# KiCad board artix-dc-scm.kicad_pcb (continued)
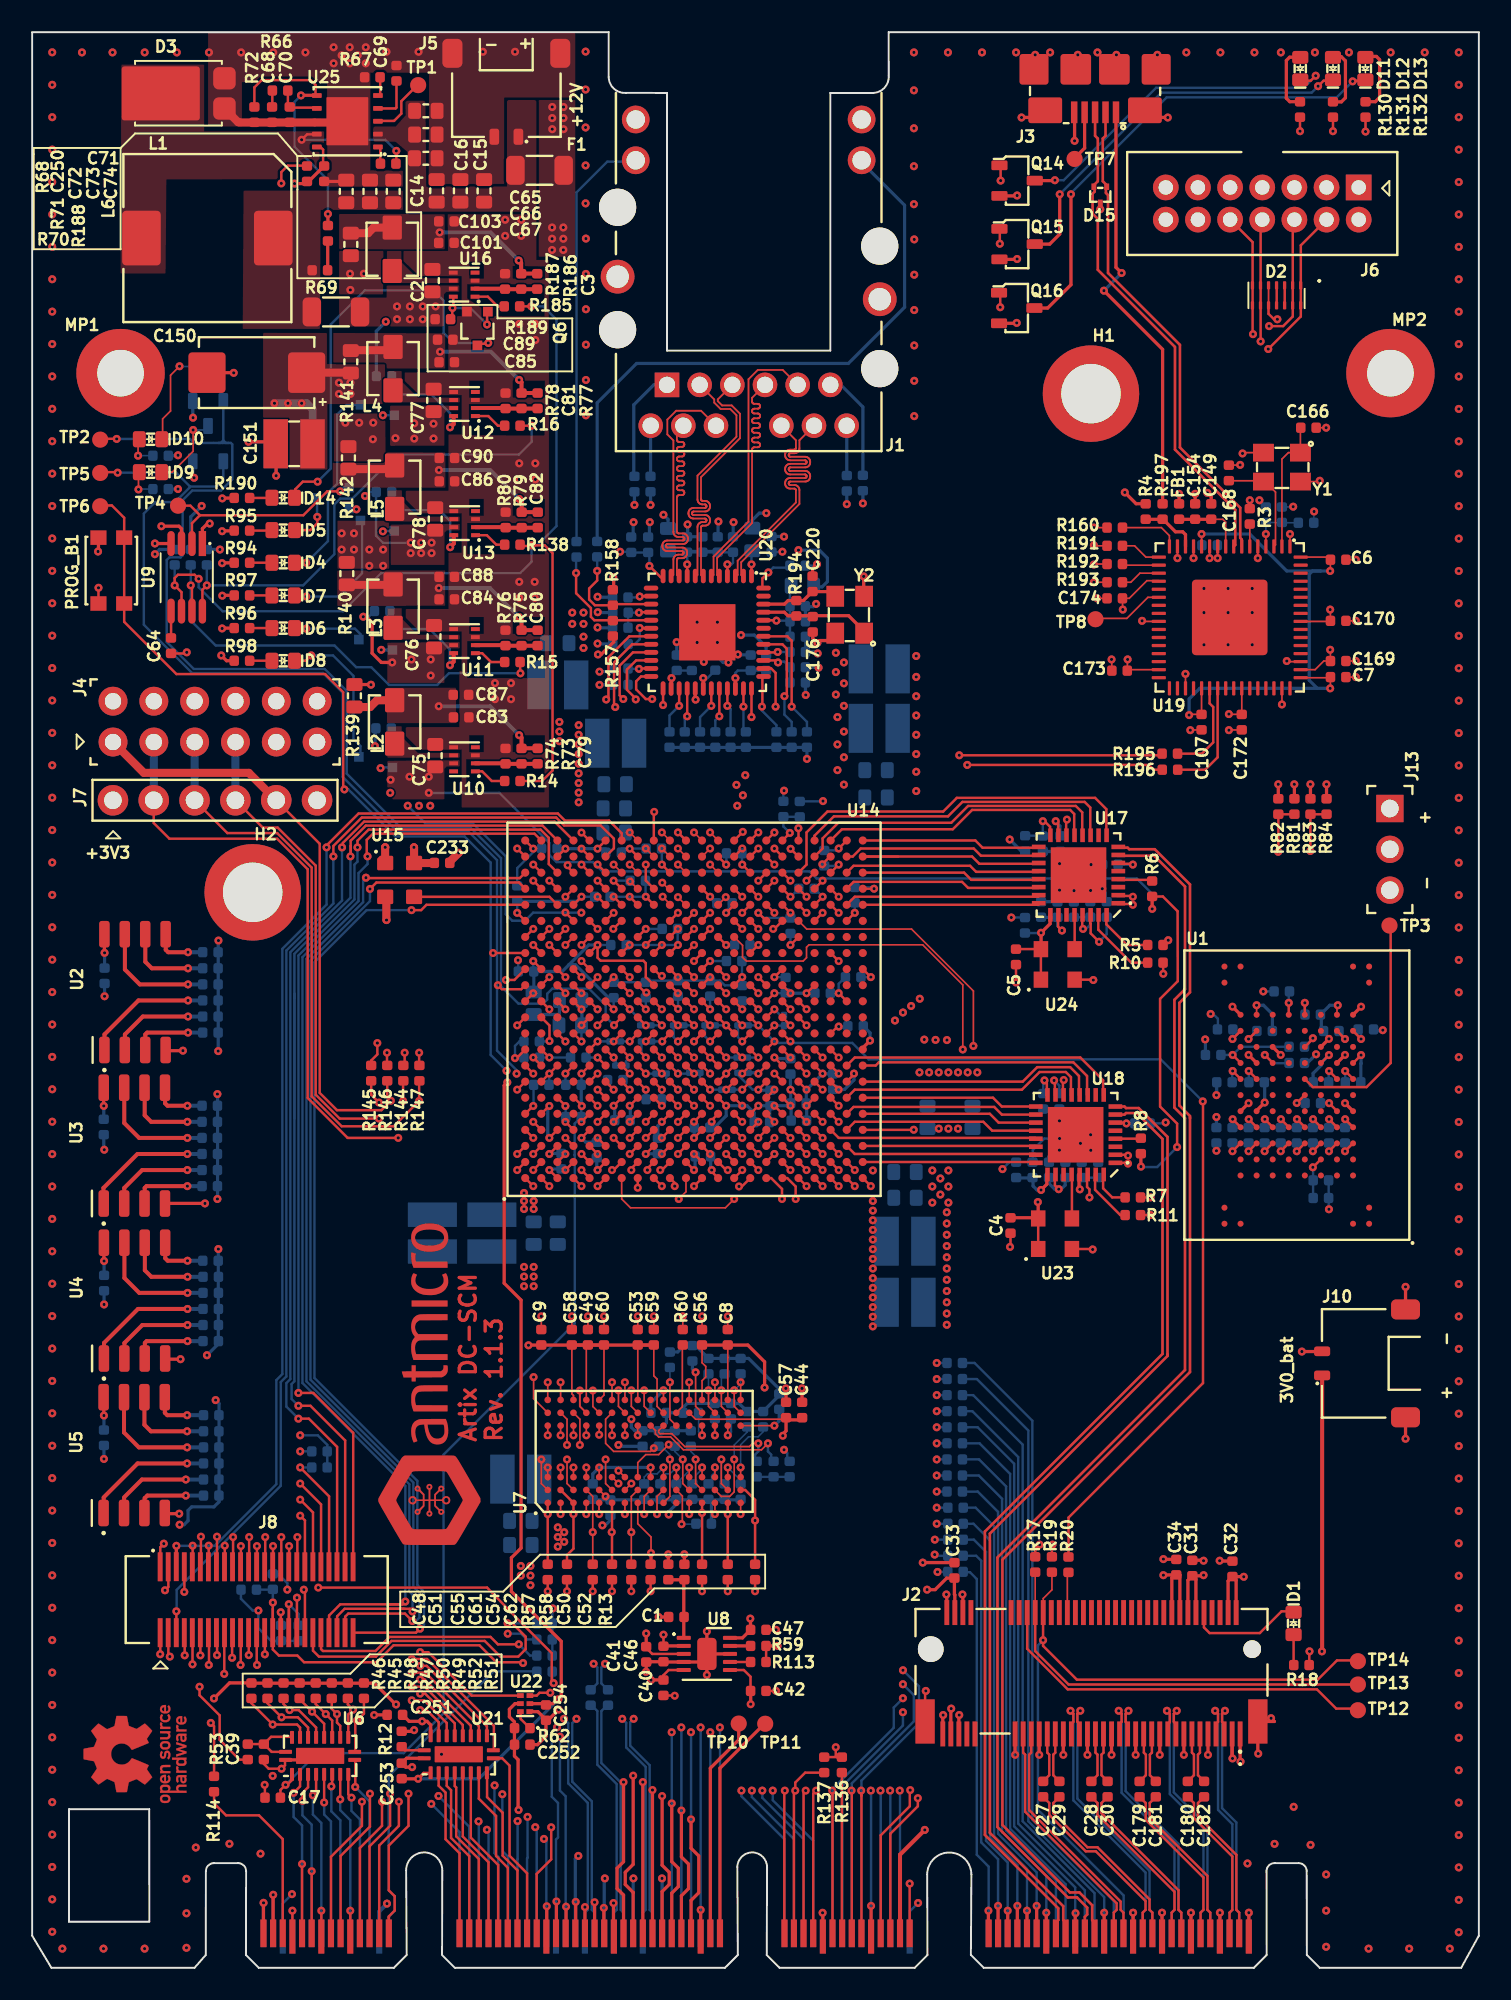
[diagram p0: board, top side]
## Routing (per net, layer and track width the routed paths; a pad name or vN(x,y) marks a point on that pad's centre or on a via; arc(x,y) is an arc through that point) (continued)
  Bottom w0.2: 4.46,51.72 4.46,50.92 ; 4.46,32.46 v2(4.46,31.66) ; 42.67,89.04 42.67,89.94 ; 44.72,81.67 43.93,81.67 ; 36.1,79.81 35.31,79.81 ; 37.47,91.81 v2(37.47,91) ; 64.26,50.14 64.26,50.51 v2(63.91,50.86) 63.64,50.86 63.26,50.49 63.26,50.14 ; 40.78,89.04 40.78,89.78 v2(40.77,89.79) ; 61.77,69.46 61.54,69.46 v2(60.82,70.19) ; 35.12,51.36 34.44,51.36 v2(34.18,51.63) ; 36.1,82.35 35.2,82.35 ; 79.16,56.29 79.34,56.29 v2(79.88,56.83) ; v2(33.98,6.96) 33.79,6.77 33.79,1.95 ; v2(32.18,50.62) 32.21,50.66 32.93,50.66 ; 45.93,54.6 45.21,54.6 v2(45.18,54.63) ; 73.68,52.27 v2(73.68,52.93) ; v2(39.18,5.56) 39.19,5.56 39.19,1.95 ; 9.99,97.51 9.99,96.44 v2(10.01,96.42) ; 62.87,69.44 63.96,69.44 63.96,69.45 ; v2(21.72,81.98) 21.73,81.98 22.32,81.98 ; v2(39.18,52.63) 38.93,52.38 38.93,51.61 ; 44.91,52.6 44.91,53.19 44.48,53.63 v2(43.18,53.63) 43.18,53 42.46,52.28 42.16,52.28 ; 35.98,28.14 35.98,27.84 35.65,27.53 v2(35.48,27.53) ; 62.9,53.42 63.9,53.42 ; 48.11,80.9 48.9,80.9 v2(48.93,80.88) ; 36.1,83.35 35.2,83.35 ; 68.49,1.96 v2(68.49,3.43) ; 48.18,52.7 48.18,53.75 48.16,53.78 48.16,54.61 v2(49.18,55.63) 49.19,55.61 49.82,55.61 ; 51.71,58.58 52.12,58.16 v2(52.12,57.67) ; C156.1 32.8,58.65 C190.1 32.77,59.23 32.7,59.3 C97.1 ; 4.51,61.24 v2(4.51,60.44) ; 38.4,89 38.4,89.9 ; 48.11,82.78 48.13,82.76 48.13,81.86 48.77,81.86 v2(48.87,81.76) ; v2(44.1,82.9) 44.93,82.9 45.66,82.17 45.66,81.67 ; v2(41.18,49.62) 41.24,49.69 41.24,50.48 ; v2(42.63,82.44) 42.5,82.31 42.5,81.69 42.99,81.2 v2(43.32,81.2) ; 36.12,84.3 35.21,84.3 ; v2(46.77,89.03) 46.76,89.04 46,89.04 ; 9.99,93.76 9.99,92.77 v2(10.07,92.69) ; v2(15.18,92.81) 15.15,92.84 15.15,94.93 15.14,94.92 v2(13.46,94.92) ; 41.7,89.02 40.74,89.02 ; 4.48,42.06 v2(4.48,41.27) ; v2(65.22,51.29) 65.22,50.14 ; v2(48.77,84.84) 48.6,84.67 48.13,84.67 ; 37.39,1.95 37.39,5.55 v2(37.41,5.56) ; 38.47,91.81 v2(38.47,91) ; 72.99,56.79 72.99,57.74 v2(72.97,57.75) ; 37.98,32.44 36.56,32.44 v2(36.48,32.53) ; 48.11,83.75 48.11,84.72 ; v2(41.37,82.44) 41.04,82.11 41.04,81.67 41.35,81.67 v2(41.79,81.24) ; 36.24,52.73 36.24,53.56 v2(36.18,53.63) ; 37.39,89 37.39,89.9 ; 62.76,66.32 63.7,66.32 ; 75.69,1.96 v2(75.69,3.43) ; 36.1,85.26 35.2,85.26 ; 48.11,79.95 48.11,79.19 v2(48.12,79.18) ; v2(35.63,5.56) 35.59,5.53 35.59,1.95 ; C218.1 40.1,82.45 ; 72.09,1.96 v2(72.09,3.43) ; 73.89,1.96 v2(73.89,3.43) ; 36.1,80.63 35.31,80.63 ; 43.61,89 43.61,89.9 ; 50.68,91.86 v2(50.68,91.05) ; 42.66,66.09 42.18,66.58 v2(42.18,66.63) ; 51.68,91.88 v2(51.68,91.1) ; 70.29,1.96 v2(70.29,3.43)
  Bottom w0.25: v2(22.07,4) 21.59,3.51 J9.OA13
  vias: v1(34.47,28.23) v1(36.87,28.23) v1(40.87,28.23) v1(42.47,28.23) v1(44.07,28.23) v1(68.47,66.63) v2(1.25,119.15) v2(1.25,117.13) v2(1.25,115.11) v2(1.25,113.1) v2(1.25,111.08) v2(1.25,109.07) v2(1.25,107.05) v2(1.25,105.04) v2(1.25,103.02) v2(1.25,101.01) v2(1.25,98.99) v2(1.25,96.97) v2(1.25,94.96) v2(1.25,92.94) v2(1.25,90.93) v2(1.25,88.91) v2(1.25,86.9) v2(1.25,84.88) v2(1.25,82.87) v2(1.25,80.85) v2(1.25,78.83) v2(1.25,76.82) v2(1.25,74.8) v2(1.25,72.79) v2(1.25,70.77) v2(1.25,68.76) v2(1.25,66.74) v2(1.25,64.73) v2(1.25,62.71) v2(1.25,60.69) v2(1.25,58.68) v2(1.25,56.66) v2(1.25,54.65) v2(1.25,52.63) v2(1.25,50.62) v2(1.25,48.6) v2(1.25,46.59) v2(1.25,44.57) v2(1.25,42.55) v2(1.25,40.54) v2(1.25,38.52) v2(1.25,36.51) v2(1.25,34.49) v2(1.25,32.48) v2(1.25,30.46) v2(1.25,28.45) v2(1.25,26.43) v2(1.25,24.41) v2(1.25,22.4) v2(1.25,20.38) v2(1.25,18.37) v2(1.25,16.35) v2(1.25,14.34) v2(1.25,12.32) v2(1.25,10.31) v2(1.25,8.29) v2(1.25,6.28) v2(1.25,4.26) v2(1.25,2.24) v2(1.88,1.2) v2(3.1,119.15) v2(4.44,1.2) v2(4.48,50.89) v2(5,119.15) v2(7,119.15) v2(7,1.2) v2(9,119.15) v2(9.6,5.54) v2(9.6,3.39) v2(9.6,1.25) v2(10.18,7.48) v2(11,119.15) v2(12.27,7.72) v2(13,119.15) v2(14.21,7.1) v2(15,119.15) v2(17,119.15) v2(18.76,119.47) v2(18.76,118.47) v2(19.26,118.97) v2(19.76,119.47) v2(19.76,118.47) v2(20.26,118.97) v2(20.76,119.47) v2(20.76,118.47) v2(21.82,96.57) v2(21.82,89.35) v2(22.04,119.19) v2(22.04,65.18) v2(22.27,73.09) v2(24.04,119.19) v2(25.46,13.29) v2(28.04,119.19) v2(28.79,79.91) v2(28.79,78.91) v2(29.43,108.73) v2(29.43,107.73) v2(29.79,79.91) v2(29.79,78.91) v2(30.04,119.19) v2(30.3,102.25) v2(30.3,101.25) v2(30.3,93.58) v2(30.3,92.58) v2(30.3,86.21) v2(30.3,85.21) v2(30.43,108.73) v2(30.43,107.73) v2(30.4,25) v2(30.4,24.4) v2(30.6,43.6) v2(30.6,43) v2(30.6,42.4) v2(31,25) v2(31,24.4) v2(31,23.8) v2(31.2,43.6) v2(31.2,43) v2(31.2,42.4) v2(31.3,102.25) v2(31.3,101.25) v2(31.3,93.58) v2(31.3,92.58) v2(31.26,86.21) v2(31.26,85.21) v2(33.6,84.3) v2(33.6,83.6) v2(34.3,84.3) v2(34.3,83.6) v2(34.3,82.8) v2(34.3,82.1) v2(34.43,119.2) v2(34.43,116.83) v2(34.43,114.47) v2(34.43,112.11) v2(34.43,109.75) v2(34.45,107.56) v2(34.45,105.37) v2(34.45,103.17) v2(34.45,100.97) v2(34.45,98.77) v2(34.45,96.57) v2(35.18,85.29) v2(35.18,84.33) v2(35.18,83.38) v2(35.18,82.38) v2(35.29,80.63) v2(35.29,79.81) v2(37.41,89.93) v2(38.43,89.93) v2(40.09,82.47) v2(41.37,83.7) v2(42.63,83.7) v2(42.7,89.97) v2(43.63,89.93) v2(43.82,73.59) v2(43.9,81.7) v2(43.87,72.29) v2(44.21,72.94) v2(44.37,74.19) v2(54.86,119.15) v2(54.86,116.78) v2(54.86,114.42) v2(54.86,112.06) v2(54.86,109.7) v2(54.87,107.51) v2(54.87,105.32) v2(54.87,103.12) v2(54.87,100.92) v2(54.87,98.72) v2(54.87,96.52) v2(55,81.6) v2(55,80.3) v2(55,79.1) v2(55,77.9) v2(55,76.7) v2(55,75.5) v2(55,74.4) v2(55,73.2) v2(55.2,55.7) v2(55.8,55.7) v2(56,49.6) v2(56,48.6) v2(56,47.6) v2(56.4,55.7) v2(56.5,49.1) v2(56.5,48.1) v2(56.9,47) v2(56.9,46.3) v2(56.9,45.6) v2(56.9,44.9) v2(56.9,44.2) v2(56.9,43.5) v2(56.9,42.8) v2(56.9,42.1) v2(56.9,41.4) v2(56.9,40.7) v2(56.9,40) v2(56.97,119.15) v2(57,55.7) v2(57,49.6) v2(57,48.6) v2(57,47.6) v2(57.6,55.7) v2(58.2,55.7) v2(58.8,55.7) v2(59.09,119.15) v2(61.21,119.15) v2(61.25,102.32) v2(61.27,106.3) v2(62.4,119) v2(63.33,119.15) v2(63.91,67.04) v2(63.91,52.69) v2(64.81,67.01) v2(65.05,119) v2(65.84,67.02) v2(65.85,51.82) v2(65.88,68.63) v2(66.28,119.15) v2(66.57,67.13) v2(67.15,81.39) v2(67.45,119) v2(71.8,119.15) v2(72.9,85.8) v2(72.9,84.3) v2(72.9,82.3) v2(73.92,119.15) v2(74.4,85.8) v2(74.4,84.3) v2(74.4,82.3) v2(75.61,6.49) v2(75.9,85.8) v2(75.9,84.3) v2(75.9,82.3) v2(76.04,119.15) v2(77.29,7.71) v2(77.68,119.15) v2(78.48,10.02) v2(79.53,7.65) v2(79.8,119.15) v2(80.52,73.62) v2(80.5,5.81) v2(80.5,3.56) v2(80.5,1.31) v2(81.92,119.15) v2(83.14,1.2) v2(84.51,119.15) v2(85.67,1.2) v2(86.63,119.15) v2(88.19,1.2) v2(88.75,119.15) v2(88.75,117.13) v2(88.75,115.11) v2(88.75,113.1) v2(88.75,111.08) v2(88.75,109.06) v2(88.75,107.05) v2(88.75,105.03) v2(88.75,103.02) v2(88.75,101) v2(88.75,98.98) v2(88.75,96.97) v2(88.75,94.95) v2(88.75,92.94) v2(88.75,90.92) v2(88.75,88.9) v2(88.75,86.89) v2(88.75,84.87) v2(88.75,82.86) v2(88.75,80.84) v2(88.75,78.82) v2(88.75,76.81) v2(88.75,74.79) v2(88.75,72.78) v2(88.75,70.76) v2(88.75,68.74) v2(88.75,66.73) v2(88.75,64.71) v2(88.75,62.69) v2(88.75,60.68) v2(88.75,58.66) v2(88.75,56.65) v2(88.75,54.63) v2(88.75,52.61) v2(88.75,50.6) v2(88.75,48.58) v2(88.75,46.57) v2(88.75,44.55) v2(88.75,42.53) v2(88.75,40.52) v2(88.75,38.5) v2(88.75,36.49) v2(88.75,34.47) v2(88.75,32.45) v2(88.75,30.44) v2(88.75,28.42) v2(88.75,26.41) v2(88.75,24.39) v2(88.75,22.37) v2(88.75,20.36) v2(88.75,18.34) v2(88.75,16.32) v2(88.75,14.31) v2(88.75,12.29) v2(88.75,10.28) v2(88.75,8.26) v2(88.75,6.24) v2(88.75,4.23) v2(88.75,2.21)
P12V_AUX: length 9.4
  Top w0.2: v2(14.99,4.55) 14.99,4.54 14.99,1.96 ; v2(14.4,4.05) 14.39,4.04 14.39,1.96
  Bottom w0.2: 14.39,1.96 14.39,4.04 v2(14.4,4.05) ; v2(14.99,4.55) 14.99,4.54 14.99,1.96
  vias: v2(32.34,108.26) v2(32.34,107.56) v2(32.34,106.86) v2(32.35,115.75) v2(32.35,115.06) v2(32.35,114.37) v2(33.04,108.26) v2(33.04,107.56) v2(33.04,106.86) v2(33.05,115.75) v2(33.05,115.06) v2(33.05,114.37)
PVCCIO_PECI: length 14.4
  Top w0.2: 45.6,15.24 42.79,12.42 42.79,1.96
VCC1V0: length 91.6
  Top w0.15: U14.E8 v2(34.18,55.63) ; U14.L11 v2(41.18,58.63) ; U14.F9 v2(36.18,56.63) ; 42.68,59.13 v2(43.18,58.63) 43.68,58.13 ; 41.68,56.13 v2(42.18,55.63) ; 43.68,56.13 v2(43.18,55.63) 42.68,55.13 ; U14.H8 v2(38.18,55.63) ; 45.68,58.13 v2(46.18,58.63) ; 33.7,54.14 34.2,53.64 34.2,53.61 v2(34.19,53.6) ; 44.68,55.13 v2(44.18,54.63) ; U14.F7 v2(36.18,54.63) ; U14.D10 v2(34.18,57.63) ; 44.68,57.13 v2(45.18,56.63) ; 45.68,56.13 v2(45.18,55.63) ; U14.J9 v2(39.18,56.63) ; U14.K8 v2(40.18,55.63) ; U14.J7 v2(39.18,54.63) ; U14.L7 v2(41.18,54.63) ; U14.J11 v2(39.18,58.63) ; 16.16,12 16.16,11.69 15.87,11.39 v2(15.76,11.39) 15.45,11.07 15.45,10.59 ; U14.H10 v2(37.18,57.63)
  Top w0.5: 19.98,99.23 17.48,99.23
  Bottom w0.15: v2(15.76,11.39) 17.73,13.36 23.12,13.36 25.59,15.84 25.59,31.93 33.76,40.09 33.76,50.57 33.75,50.57 33.75,50.57 33.75,52.51 34.16,52.93 34.16,53.57 v2(34.19,53.6) ; 36.3,56.13 36.3,56.5 v2(36.18,56.63) ; 38.8,55.63 v2(38.18,55.63) ; v2(36.18,54.63) 35.79,55.01 35.79,55.23 ; v2(34.18,55.63) 34.18,54.94 34.16,54.93 ; C138.2 v2(41.18,58.63) ; v2(39.18,54.63) 39.16,54.61 39.16,54.03 ; C190.2 v2(34.18,57.63) ; C165.2 v2(43.18,58.63) ; v2(46.18,58.63) 46.2,58.61 46.77,58.61 ; C159.2 v2(39.18,58.63) ; C152.2 v2(37.18,57.63) ; C157.2 v2(45.18,56.63) ; v2(40.18,55.63) 40.9,55.63 ; C163.2 v2(44.18,54.63)
  Bottom w0.2: 44.54,55.68 45.12,55.68 v2(45.18,55.63) ; 34.16,54.93 34.16,53.64 v2(34.19,53.6) ; C156.2 34.2,58.65 C190.2 ; 35.15,76.1 v2(34,76.1)
  Bottom w0.5: 17.44,94.93 17.44,96.96 17.08,97.32 15.05,97.32
  vias: v2(15.07,97.32) v2(15.91,97.32) v2(16.76,97.32) v2(19.09,98.6) v2(19.09,97.9) v2(19.8,98.6) v2(19.8,97.9) v2(34,77.3) v2(34,76.7) v2(34,75.5) v2(34,74.9) v2(34,74.3) v2(34,73.7) v2(34,73.1) v2(34,72.5)
VCC1V2: length 28.7
  Top w0.15: 38.62,85.33 37.82,85.33 ; U14.C4 v2(32.18,51.63) ; U14.C8 v2(32.18,55.63) U14.B7 ; U20.30 41.75,80.22 v2(41.75,80.23) ; 38.57,83.33 37.82,83.33 v2(37.8,83.35) ; 46.4,81.25 46.32,81.33 45.43,81.33 ; v2(32.18,53.61) 32.16,53.61 U14.B5 ; v2(37.75,80.8) 37.77,80.83 38.57,80.83 ; U20.26 39.75,80.2 v2(39.77,80.23) ; U14.B11 32.18,58.62 v2(32.18,57.65) ; U14.B9 v2(32.18,56.63)
  Bottom w0.15: 46.4,81.25 46.79,81.25 47.14,80.9 47.14,79.95 ; v2(37.8,85.3) 37.74,85.24 37.07,85.24 ; v2(32.18,57.65) 32.16,57.63 31.56,57.63 ; 31.56,56.63 v2(32.18,56.63) 33.49,56.63 ; v2(41.75,80.23) 42.01,80.23 42.5,80.72 ; 37.09,82.35 37.5,82.35 37.8,82.65 v2(37.8,83.35) ; 32.16,54.93 32.16,55.61 v2(32.18,55.63) ; v2(37.75,80.8) 37.21,80.8 37.07,80.66 37.07,79.81 ; v2(39.77,80.23) 39.77,80.37 40.1,80.7 41.04,80.7
  Bottom w0.2: v2(47.67,88.19) 48.97,88.19 49.47,87.69 49.47,86.23 49.15,85.9 48.65,85.9 ; 32.07,51.73 32.07,53.51 v2(32.18,53.61) ; v2(39.27,90.39) 39.56,90.1 FB6.2
  vias: v2(19.77,105.38) v2(19.79,104.37) v2(20.63,105.38) v2(46.4,81.2) v2(56.4,52.2) v2(57,52.2) v2(57.6,52.2)
VCC1V8: length 126.6
  Top w0.15: 43.68,60.13 v2(44.18,59.63) ; 44.68,59.13 v2(45.18,58.63) ; U14.K10 39.2,57.65 ; 41.68,60.13 v2(42.18,59.63) ; 64.47,25.56 64.47,26.22 64.47,26.23 64.47,28.01 72.84,36.37 72.84,53.86 ; U14.E12 v2(35.18,59.63) ; U14.H12 v2(38.18,59.63) ; U14.K12 40.15,59.65 v2(40.18,59.65)
  Top w0.2: 22.99,11.76 v2(24.01,11.76) 24.35,12.1 24.79,12.1 ; v2(29.56,55.08) 29.37,54.89 29.37,42.59 30.41,41.54 30.41,26.11 29.82,25.51 29.82,23.41 32.91,20.31 32.91,16.89 v2(32.74,16.71) 32.66,16.71 32.39,16.44 U22.2
  In6.Cu w0.15: 28.77,55.79 29.48,55.08 v2(29.56,55.08)
  Bottom w0.15: 42.18,60.44 v2(42.18,59.63) ; 44.18,60.14 v2(44.18,59.63) ; v2(72.83,53.9) 70.21,56.51 52.04,56.51 51.02,57.53 46.27,57.53 v2(45.18,58.63) C242.2 ; v2(40.18,59.65) 40.18,60.43 40.18,60.44 ; 38.18,60.34 v2(38.18,59.63) ; C146.2 v2(39.2,57.63)
  Bottom w0.2: v2(24.01,11.76) 27.79,11.76 v2(32.74,16.71)
  vias: v2(19.26,89.23) v2(19.26,88.22) v2(20.02,89.23) v2(20.02,88.22) v2(20.98,88.22) v2(20.98,87.21) v2(21.84,88.22) v2(21.84,87.21) v2(32.8,77.5) v2(32.8,76.9) v2(32.8,76.3)
VCC1V35: length 88.4
  Top w0.1: U7.G7 v2(36.87,33.12) ; v2(38.87,28.23) 38.87,29.32 U7.K2 ; U7.E9 35.57,35.62 35.57,38.74 ; 37.27,25.11 37.27,29.32 37.68,29.73 ; 41.67,38.74 41.68,38.74 41.68,37.64 41.9,37.41 41.9,36.76 41.68,36.53 41.68,35.33 ; 33.68,35.33 33.68,35.61 33.57,35.71 33.57,38.74 ; v2(31.2,36.75) 31.2,35.41 U7.A8 ; 37.68,35.33 37.68,38.74 37.67,38.74 ; U7.K8 38.87,34.93 38.87,36.63 38.67,36.83 38.67,38.74 ; 34.87,25.11 34.87,29.33 U7.D2 ; U7.R9 43.27,37.97 43.27,37.97 43.27,38.74 ; 34.57,38.74 34.48,38.64 U7.D9
  Top w0.15: 41.68,52.13 v2(41.18,51.63) ; U14.C1 v2(32.18,49.62) ; U14.F2 v2(35.18,49.62) ; 32.07,25.11 32.07,28.92 ; 39.27,20.01 v2(39.27,20.73) ; v2(42.28,49.62) 42.28,49.52 42.68,49.12 ; 36.07,25.11 36.07,28.92 ; 43.27,25.11 43.27,28.92 ; 41.67,25.11 U7.N1 ; U7.B2 33.68,28.93 33.68,26.08 33.27,25.67 33.27,25.11 ; U14.J3 v2(38.18,50.62) ; U14.H6 v2(37.18,53.63)
  Top w0.2: 40.57,25.11 v2(40.57,25.73) ; 37.67,38.74 38.67,38.74 30.89,38.74 v2(30.87,38.73) ; U8.2 39.29,20.03 39.27,20.01 ; 33.57,38.74 35.57,38.74 ; v2(45.57,36.09) 45.57,37.7 44.52,38.74 41.67,38.74
  Bottom w0.2: v2(37.18,53.63) 37.21,53.59 37.21,52.73 ; 35.12,50.39 35.12,49.68 v2(35.18,49.62) ; v2(38.18,50.62) 38.19,50.64 38.93,50.64 ; v2(42.28,49.62) 42.21,49.69 42.21,50.48 ; v2(32.18,49.62) 32.24,49.69 32.93,49.69 ; v2(41.18,51.63) 41.19,51.64 41.19,52.28
  vias: v2(19.48,96.11) v2(20.34,96.11) v2(21.22,96.11) v2(21.2,95.08) v2(32.07,28.23) v2(32.7,27.4) v2(32.7,26.8) v2(32.7,26.2) v2(33.1,27.1) v2(33.1,26.5) v2(33.67,28.23) v2(34.87,27.1) v2(36.05,27.11) v2(37.27,27.1) v2(41.68,28.3) v2(43.27,28.23)
VCC3V3: length 295.4
  Top w0.1: 81.17,59.29 81.17,59.88 ; 76.17,59.29 v2(76.17,59.88) ; U19.20 70.05,86.29 69.35,86.29 68.25,85.19 67.84,85.19 67.84,84.5 v2(67.85,84.49) ; v2(80.75,81.99) 80.77,81.97 80.77,81.29 80.35,81.29 79.81,80.75 78.91,80.75 ; v2(74.45,77.99) 74.47,77.97 75.25,77.97 U19.42 ; v2(80.75,84.49) 80.77,84.47 80.77,83.79 80.73,83.75 78.91,83.75 ; 70.09,80.75 68.2,80.75 68.14,80.69 68.14,81.37 v2(68.15,81.39)
  Top w0.15: 48.68,51.12 v1(49.18,50.62) ; 42.68,69.13 v2(43.18,68.63) ; 45.68,70.13 v2(46.18,70.63) ; 45.68,50.12 v2(46.18,50.62) ; 82.18,56.29 v2(82.67,56.78) ; 46.68,67.13 v2(47.18,66.63) ; U14.A17 v2(30.18,65.63) ; 44.68,63.13 v2(45.18,63.63) ; 41.68,62.13 v2(42.18,62.63) ; 82.95,115.09 v2(82.95,114.22) ; 47.68,54.13 v2(47.18,54.63) ; v2(62.98,55.2) 63.12,55.05 63.12,54.26 ; 76.16,51.29 v2(75.67,50.8) ; 45.68,60.13 v2(46.18,60.63) ; 45.66,19.03 45.66,20.03 ; 49.68,58.13 50.1,58.55 v2(50.18,58.55) ; v2(62.68,26.33) 62.4,26.05 62.4,25.58 ; 47.68,64.13 v2(47.18,63.63) ; 48.68,61.13 v2(48.18,60.63) ; 70.36,62.53 70.36,61.94 ; 7.97,24.95 7.97,26.17 v2(8.19,26.39) ; 51.68,62.13 v2(52.18,61.63) ; 63.32,70.36 63.32,70.98 62.98,71.33 v2(62.87,71.33) ; v2(8.26,23.49) 8.47,23.69 8.47,24.95 ; 81.16,51.29 v2(80.67,50.8) ; U14.D18 v2(34.18,66.63) ; U14.L17 v2(41.18,65.63) ; v2(33.18,69.61) 33.16,69.61 U14.C21 ; 80.93,115.11 v2(80.93,114.25) ; v2(68.47,68.63) 68.43,68.68 67.51,68.68 ; U14.B14 v2(31.18,62.63) ; 43.68,66.13 v2(43.18,65.63) ; 44.68,53.13 v2(45.18,53.63) ; 75.17,56.3 v2(74.68,56.79) ; 75.16,51.29 v2(74.67,50.8) ; v2(68.08,52.53) 68.03,52.58 67.31,52.58 ; 79.16,51.29 v2(78.67,50.8) ; 79.45,18.84 79.45,19.67 ; v2(43.75,80.23) U20.34 ; U14.E15 v2(35.18,63.63) 35.18,62.84 35.37,62.65 38.02,62.65 38.18,62.5 38.18,61.63 38.73,61.08 ; v2(66.38,63.83) 65.85,64.35 65.85,64.95 65.82,64.98 65.82,65.49 ; 81.17,53.3 v2(80.68,53.79) ; U14.F12 v2(36.18,59.63) ; 62.54,46.66 62.59,46.62 62.59,44.72 ; 50.68,65.13 v2(51.18,65.63) ; 51.68,52.13 54.84,52.13 v2(54.84,52.13) ; 78.88,115.11 v2(78.88,114.25) ; 77.16,51.29 v2(76.67,50.8) ; U14.K20 v2(39.18,68.63) ; 68.96,46.83 v2(69.58,46.83) ; 65.62,49.39 65.62,48.58 65.78,48.43 v2(65.78,47.93) ; 38.57,84.33 37.77,84.33 v2(37.75,84.3) ; 49.68,68.13 v2(50.18,68.63) ; 50.68,55.13 51.12,55.58 v2(51.12,55.63) ; 82.16,51.29 v2(81.67,50.8) ; v2(63.48,26.33) 63.44,26.29 63.44,25.58 ; 80.18,56.29 v2(80.67,56.78) ; v2(46.38,81.85) 46.35,81.83 45.43,81.83 ; 77.17,56.3 v2(76.68,56.79) ; U14.G19 v2(36.18,67.63) ; 62.76,61.47 U24.4 62.75,63.37 61.21,63.37 ; 80.16,51.29 v2(79.67,50.8) ; U14.H16 v2(38.18,64.63) ; U14.F22 35.18,69.63 v2(35.18,69.61) ; 78.16,51.29 v2(77.67,50.8)
  Top w0.2: 12.57,91.43 11.85,91.43 ; 4.45,54.82 4.45,53.63 ; 4.46,35.56 4.46,34.37 ; 79.53,72.73 79.53,73.62 ; 56.9,22.1 56.9,23.2 v2(56.87,23.23) ; 36.18,85.75 36.18,86.47 v2(36.15,86.5) ; 72.18,24.39 72.84,24.39 v2(72.88,24.43) ; 72.18,24.39 71.9,24.11 71.9,22.1 ; 72.18,24.39 72.4,24.16 72.4,22.1 ; 45.66,20.03 v2(46.37,20.03) ; 12.57,81.31 12.09,81.31 v2(11.76,81.64) ; 74.67,24.34 74.4,24.06 74.4,22.1 ; 74.67,24.34 74.9,24.11 74.9,22.1 ; 74.67,24.34 75.37,24.34 v2(75.38,24.33) ; 71.35,91.07 v2(71.35,91.69) ; 30.37,16.44 30.04,16.44 29.69,16.09 29.69,15.61 30.01,15.3 30.01,13.18 30.23,12.95 30.23,9.85 v2(30.26,9.82) ; 76.17,53.29 76.17,53.32 v2(76.68,53.83) ; 12.57,85.38 11.85,85.38 ; v2(21.08,79.81) 21.07,79.83 20.07,79.83 ; 12.57,89.39 11.84,89.39 ; 63.12,49.39 63.12,48.75 v2(62.76,48.39) ; v2(23.76,14.79) 23.69,14.71 23.01,14.71 ; v2(35.2,81.7) 35.4,81.7 36.18,82.47 36.18,82.87 ; 57.9,22.1 57.9,23.2 v2(57.87,23.23) ; 70.9,22.1 70.9,24.27 71.08,24.44 71.4,24.44 71.4,24.44 71.4,22.1 ; 13.64,17.73 12.28,17.73 v2(11.31,16.76) ; 24.79,14.51 24.79,15.11 24.57,15.34 v2(24.26,15.34) 23.45,15.34 23.05,15.74 ; U8.10 44.19,20.53 44.69,21.03 44.69,21.71 v2(44.68,21.73) ; 78.53,72.73 78.53,73.62 ; 12.57,83.34 11.84,83.34 ; 12.57,87.4 11.84,87.4 ; 13.69,17.71 21.29,17.71 22.62,16.39 v2(22.64,16.39) ; 60.87,46.66 62.49,46.66 ; 71.18,24.44 70.39,24.44 v2(70.38,24.43) ; v2(62.57,47.64) 62.59,47.62 62.59,46.62 ; 62.76,63.34 v2(62.76,64.39) 63.32,64.95 63.32,65.49 ; 4.49,64.34 4.49,63.15 ; 4.46,45.17 4.46,43.98 ; 57.4,22.1 57.4,23.2 57.37,23.23 57.37,24.24 56.89,24.24 56.18,23.53 v2(55.68,23.53)
  Top w0.5: 21.96,68.72 21.96,69.71 v2(21.96,69.7) ; 24.93,68.72 U15.4 23.76,69.69 v2(23.75,69.7)
  In1.Cu w0.2: v2(52.3,49.6) 51.73,50.17 49.63,50.17 v1(49.18,50.62)
  Bottom w0.1: v2(79.75,90.59) 79.74,90.57 79.74,89.89 ; v2(80.68,53.79) 80.16,53.79
  Bottom w0.15: 43.63,66.23 43.18,65.77 v2(43.18,65.63) ; 66.84,65.38 66.84,64.3 v2(66.38,63.83) ; 51.56,61.63 v2(52.18,61.63) ; 43.19,62.63 v2(42.18,62.63) ; 32.36,19.43 32.36,22.32 v2(32.39,22.35) ; 47.69,67.13 47.19,66.63 v2(47.18,66.63) ; 80.67,51.3 v2(80.67,50.8) ; v2(33.18,69.61) 33.16,69.63 32.66,69.63 ; 48.69,60.63 v2(48.18,60.63) ; v2(62.98,55.2) 62.9,55.12 62.9,54.39 ; v2(34.18,66.63) 34.99,66.63 ; 51.18,66.24 v2(51.18,65.63) ; 44.66,63.63 v2(45.18,63.63) ; v2(39.18,68.63) 39.18,69.61 39.16,69.63 ; 35.69,69.63 35.19,69.63 v2(35.18,69.61) ; 74.67,51.3 v2(74.67,50.8) ; v2(68.47,68.63) 67.56,68.63 ; v2(50.18,68.63) 50.09,68.54 49.27,68.54 ; 37.07,83.36 37.07,84.29 37.09,84.3 v2(37.75,84.3) ; 78.19,57.3 75.19,57.3 v2(74.68,56.79) 73.86,56.79 ; 30.18,66.34 v2(30.18,65.63) ; v2(46.38,81.85) 47.14,81.85 ; 35.99,63.63 v2(35.18,63.63) ; 16.57,20.34 14.86,20.34 14.07,21.12 v2(14.07,22.23) 13.72,22.23 12.99,22.96 12.99,23.53 ; 61.77,70.43 62.86,70.43 62.87,70.41 v2(62.87,71.33) ; 39.19,64.63 v2(38.18,64.63) ; 76.67,51.3 v2(76.67,50.8) ; 31.18,62.11 v2(31.18,62.63) ; v2(46.77,73.23) 46.73,73.19 46.73,72.57 ; 47.18,64.34 v2(47.18,63.63) ; v2(68.08,52.53) 68.59,52.53 ; v2(62.76,64.39) 62.74,64.37 61.76,64.37 ; 43.19,69.33 43.19,68.64 v2(43.18,68.63) ; v2(43.75,80.23) 43.75,80.55 43.9,80.7 45.66,80.7 ; 81.67,51.3 v2(81.67,50.8) ; 79.67,51.3 79.67,51 79.77,50.9 ; 37.19,67.63 v2(36.18,67.63) ; 36.18,60.34 v2(36.18,59.63) ; 17.37,32.12 v2(16.68,32.12) ; v2(46.18,60.63) 46.86,60.63 46.87,60.64 ; 73.77,58.39 73.77,59.04 73.47,59.34 v2(73.31,59.34) ; v2(76.68,56.79) 77.2,56.27 78.07,56.27 ; 75.67,51.3 v2(75.67,50.8) ; 77.67,51.3 v2(77.67,50.8) ; 78.67,51.3 v2(78.67,50.8)
  Bottom w0.2: 11.57,63.89 v2(11.57,57.03) ; 4.46,52.72 v2(4.46,53.62) ; 80.2,58.29 80.2,59.25 80.15,59.3 80.73,59.88 81.17,59.88 ; v2(76.17,59.88) 76.6,59.88 77.19,59.29 77.16,59.26 77.16,58.28 ; C38.2 v2(4.46,34.36) ; v2(11.59,44.71) 11.58,44.71 11.58,39 11.59,38.99 11.59,38.83 v2(10.87,38.11) ; v2(48.2,75.2) 48.2,75.92 39.65,75.92 ; 8.48,94.06 9.05,94.06 v2(9.07,94.09) ; v2(45.67,90.49) 45.24,90.49 44.8,90.05 FB4.1 ; v2(82.67,56.78) 82.67,56.26 82.66,56.24 82.66,55.09 ; v2(11.52,54.35) 11.54,54.34 11.54,47.84 v2(11.52,47.83) ; 4.51,62.23 4.51,62.24 v2(4.51,63.14) ; v2(80.67,56.78) 80.18,56.28 80.18,56.13 79.69,55.64 79.69,55.09 ; v2(35.18,63.63) 34.62,63.63 33.4,62.4 ; v2(9.07,91.99) 9.07,91.99 8.48,91.99 ; v2(50.18,58.55) 50.2,58.53 50.82,58.53 ; v2(33.18,69.61) v2(35.18,69.61) ; 47.21,52.7 47.21,53.75 47.19,53.78 ; 30.18,66.34 33.89,66.34 v2(34.18,66.63) ; 47.19,53.78 47.04,53.63 45.93,53.63 ; 47.19,53.78 47.19,54.61 v2(47.18,54.63) 47.18,55.59 ; 33.4,62.4 32.98,61.98 31.21,61.98 31.21,60.71 C97.2 ; 33.4,62.4 33.79,62.4 35.85,60.34 36.18,60.34 ; v2(9.18,27.56) 9.45,27.56 9.7,27.81 9.7,28.45 9.92,28.67 11.31,28.67 11.62,28.99 11.62,35.11 v2(11.41,35.31) ; 76.66,55.09 76.68,55.07 v2(76.68,53.83) ; 45.93,53.63 45.88,53.59 45.88,52.6 ; 45.93,53.63 v2(45.18,53.63) ; 46.87,60.64 46.89,60.63 v2(48.18,60.63) ; 73.68,51.3 v2(73.68,50.83) ; 83.42,58.3 83.99,58.3 v2(84.02,58.33) ; 73.69,55.09 73.69,54.3 v2(73.67,54.29) ; 61.21,49.15 61.25,49.15 61.26,49.14 62.26,49.14 62.26,48.64 62.51,48.39 v2(62.76,48.39) ; 4.48,43.06 v2(4.48,43.97) ; v2(51.12,55.63) 51.12,55.23 50.54,54.64 49.82,54.64 ; R61.1 21.41,99 21.41,101.8 v2(22,102.4)
  vias: v2(11.59,63.9) v2(11.83,91.4) v2(11.82,89.36) v2(11.82,87.37) v2(11.83,85.35) v2(11.82,83.31) v2(30.6,48.2) v2(30.6,47.7) v2(30.6,47.2) v2(31.2,47.7) v2(31.2,47.2) v2(50,81.8) v2(50,80.6) v2(50,79.2) v2(50.1,77.8) v2(50.1,76.1) v2(50.1,74.5) v2(50.5,81.2) v2(50.5,79.9) v2(50.5,78.5) v2(50.5,76.9) v2(50.5,75.3) v2(50.5,73.6) v2(52.3,47.7) v2(52.3,47.1) v2(52.3,46.5) v2(52.3,45.9) v2(52.3,45.3) v2(52.3,44.7) v2(52.3,44.1) v2(52.3,43.5) v2(52.3,42.9) v2(52.3,42.3) v2(52.3,41.7) v2(52.3,41.1) v2(52.3,40.5) v2(52.3,39.9) v2(70.37,61.83) v2(78.52,73.62) v2(79.52,73.62) v2(79.47,19.69) v2(81.22,59.88)
VCC5V0: length 92.6
  Top w0.15: v2(15.5,111) 15.5,111.7 15.9,112.1 17.09,112.1 17.1,112.09 ; 69.68,66.64 70.34,66.64 71.26,65.72 71.27,61.37 70.17,60.27 70.17,53.57 71.23,52.51 v2(71.23,51.05)
  Top w0.2: v2(7.64,88.6) 7.64,88.59 U9.4 ; 69.68,66.64 69.68,65.88 v2(69.68,65.87) ; v2(68.98,49.84) 68.97,49.84 68.97,50.64 ; v2(11.04,89.84) 10.91,89.84 10.59,89.52 10.59,88.59 ; v2(22.4,81.2) 21.72,81.2 21.15,81.77 21.15,83.68 20.79,84.04 v2(20.6,84.04)
  Bottom w0.15: 21.4,91.54 21.39,91.53 21.39,89.08 21.83,88.65 23.54,88.65 v2(23.55,88.65) ; v2(68.98,49.84) 69.01,49.81 69.99,49.81 v2(71.23,51.05) ; 20.73,91.54 20.99,91.8 21.4,91.8 21.4,91.54 ; v2(24.68,73.09) 24.68,73.09 29.07,73.09 32.18,69.98 32.18,69.23 32.62,68.78 34.89,68.78 35.47,68.2 48.36,68.2 48.8,67.76 68.72,67.76 69.68,66.8 v2(69.68,65.87) ; R91.1 20.94,84.04 v2(20.6,84.04)
  Bottom w0.2: 10.87,88.23 11.67,88.23 v2(11.68,88.22) ; v2(7.64,87.93) 7.93,88.23 8.87,88.23 ; v2(10.54,90.94) 9.87,90.26 9.87,88.23 ; 21.34,76.8 21.34,76.01
  vias: v2(20.71,91.55) v2(21.32,76) v2(22.3,73.9) v2(22.6,95.15) v2(22.7,103.35) v2(22.7,102.55) v2(23.5,103.35) v2(23.5,102.55) v2(23.48,74.09) v2(23.55,88) v2(23.59,81.39) v2(23.77,96.07) v2(23.77,95.12) v2(24.2,88.65) v2(24.2,88) v2(24.3,103.35) v2(24.3,102.55) v2(24.68,74.09) v2(24.79,81.39) v2(24.79,80.39) v2(24.85,88.65) v2(24.85,88) v2(24.97,96.05) v2(24.97,95.13) v2(25.1,103.35)
/DDR3/DDR3_VTT: length 39.9
  Top w0.15: 40.54,18.53 39.59,18.53 39.27,18.21 39.27,17.91 ; 38.18,19.93 38.57,19.53 40.54,19.53
  Top w0.2: 38.2,19.99 v2(38.2,20.8) ; v2(38.5,17.9) 38.51,17.91 39.27,17.91
  Bottom w0.2: 38.98,33.41 39.46,33.9 39.46,34.53 40.49,34.53 40.49,34.84 40.76,35.11 43.98,35.11 44.48,34.61 45.48,34.61 46.48,35.61 46.48,36.01 44.57,37.91 42.07,37.91 41.27,38.71 40.56,38.71 40.16,38.31 39.68,38.31 ; 38.98,33.41 40.98,33.41 ; 38.98,33.41 37.49,33.41 37.27,33.62 v2(37.27,34.12) ; 42.07,29.14 42.26,28.96 42.26,27.62 ; 40.07,29.14 40.07,28.84 39.6,28.37 v2(39.6,28.2) ; 44.07,29.14 44.04,29.11 34.9,29.11 34.87,29.14
/Edge connector/CHASI#: length 37.5
  Bottom w0.15: 66.09,1.96 66.09,4.65 61.62,9.12 61.62,32.55 58.54,35.62 57.88,35.62
/Edge connector/DBP_PRDY_N: length 32.7
  Bottom w0.15: 63.69,1.96 63.69,5.45 60.59,8.55 60.59,29.95 58.91,31.62 57.88,31.62
